# Altium PCB PCB_Power_Distribution.PcbDoc (part 1 of 3)
Units mm, origin at the board's own origin, x right, y up, seen from the top; angles counter-clockwise.
Board outline 80 x 80 mm, 4 copper layers (Top Layer, GND, POWER, Bottom Layer), stack 1.527 mm thick; 206 components, 111 nets, 596 pads, 345 vias.
Unrouted connection lines stored in the file: 3.
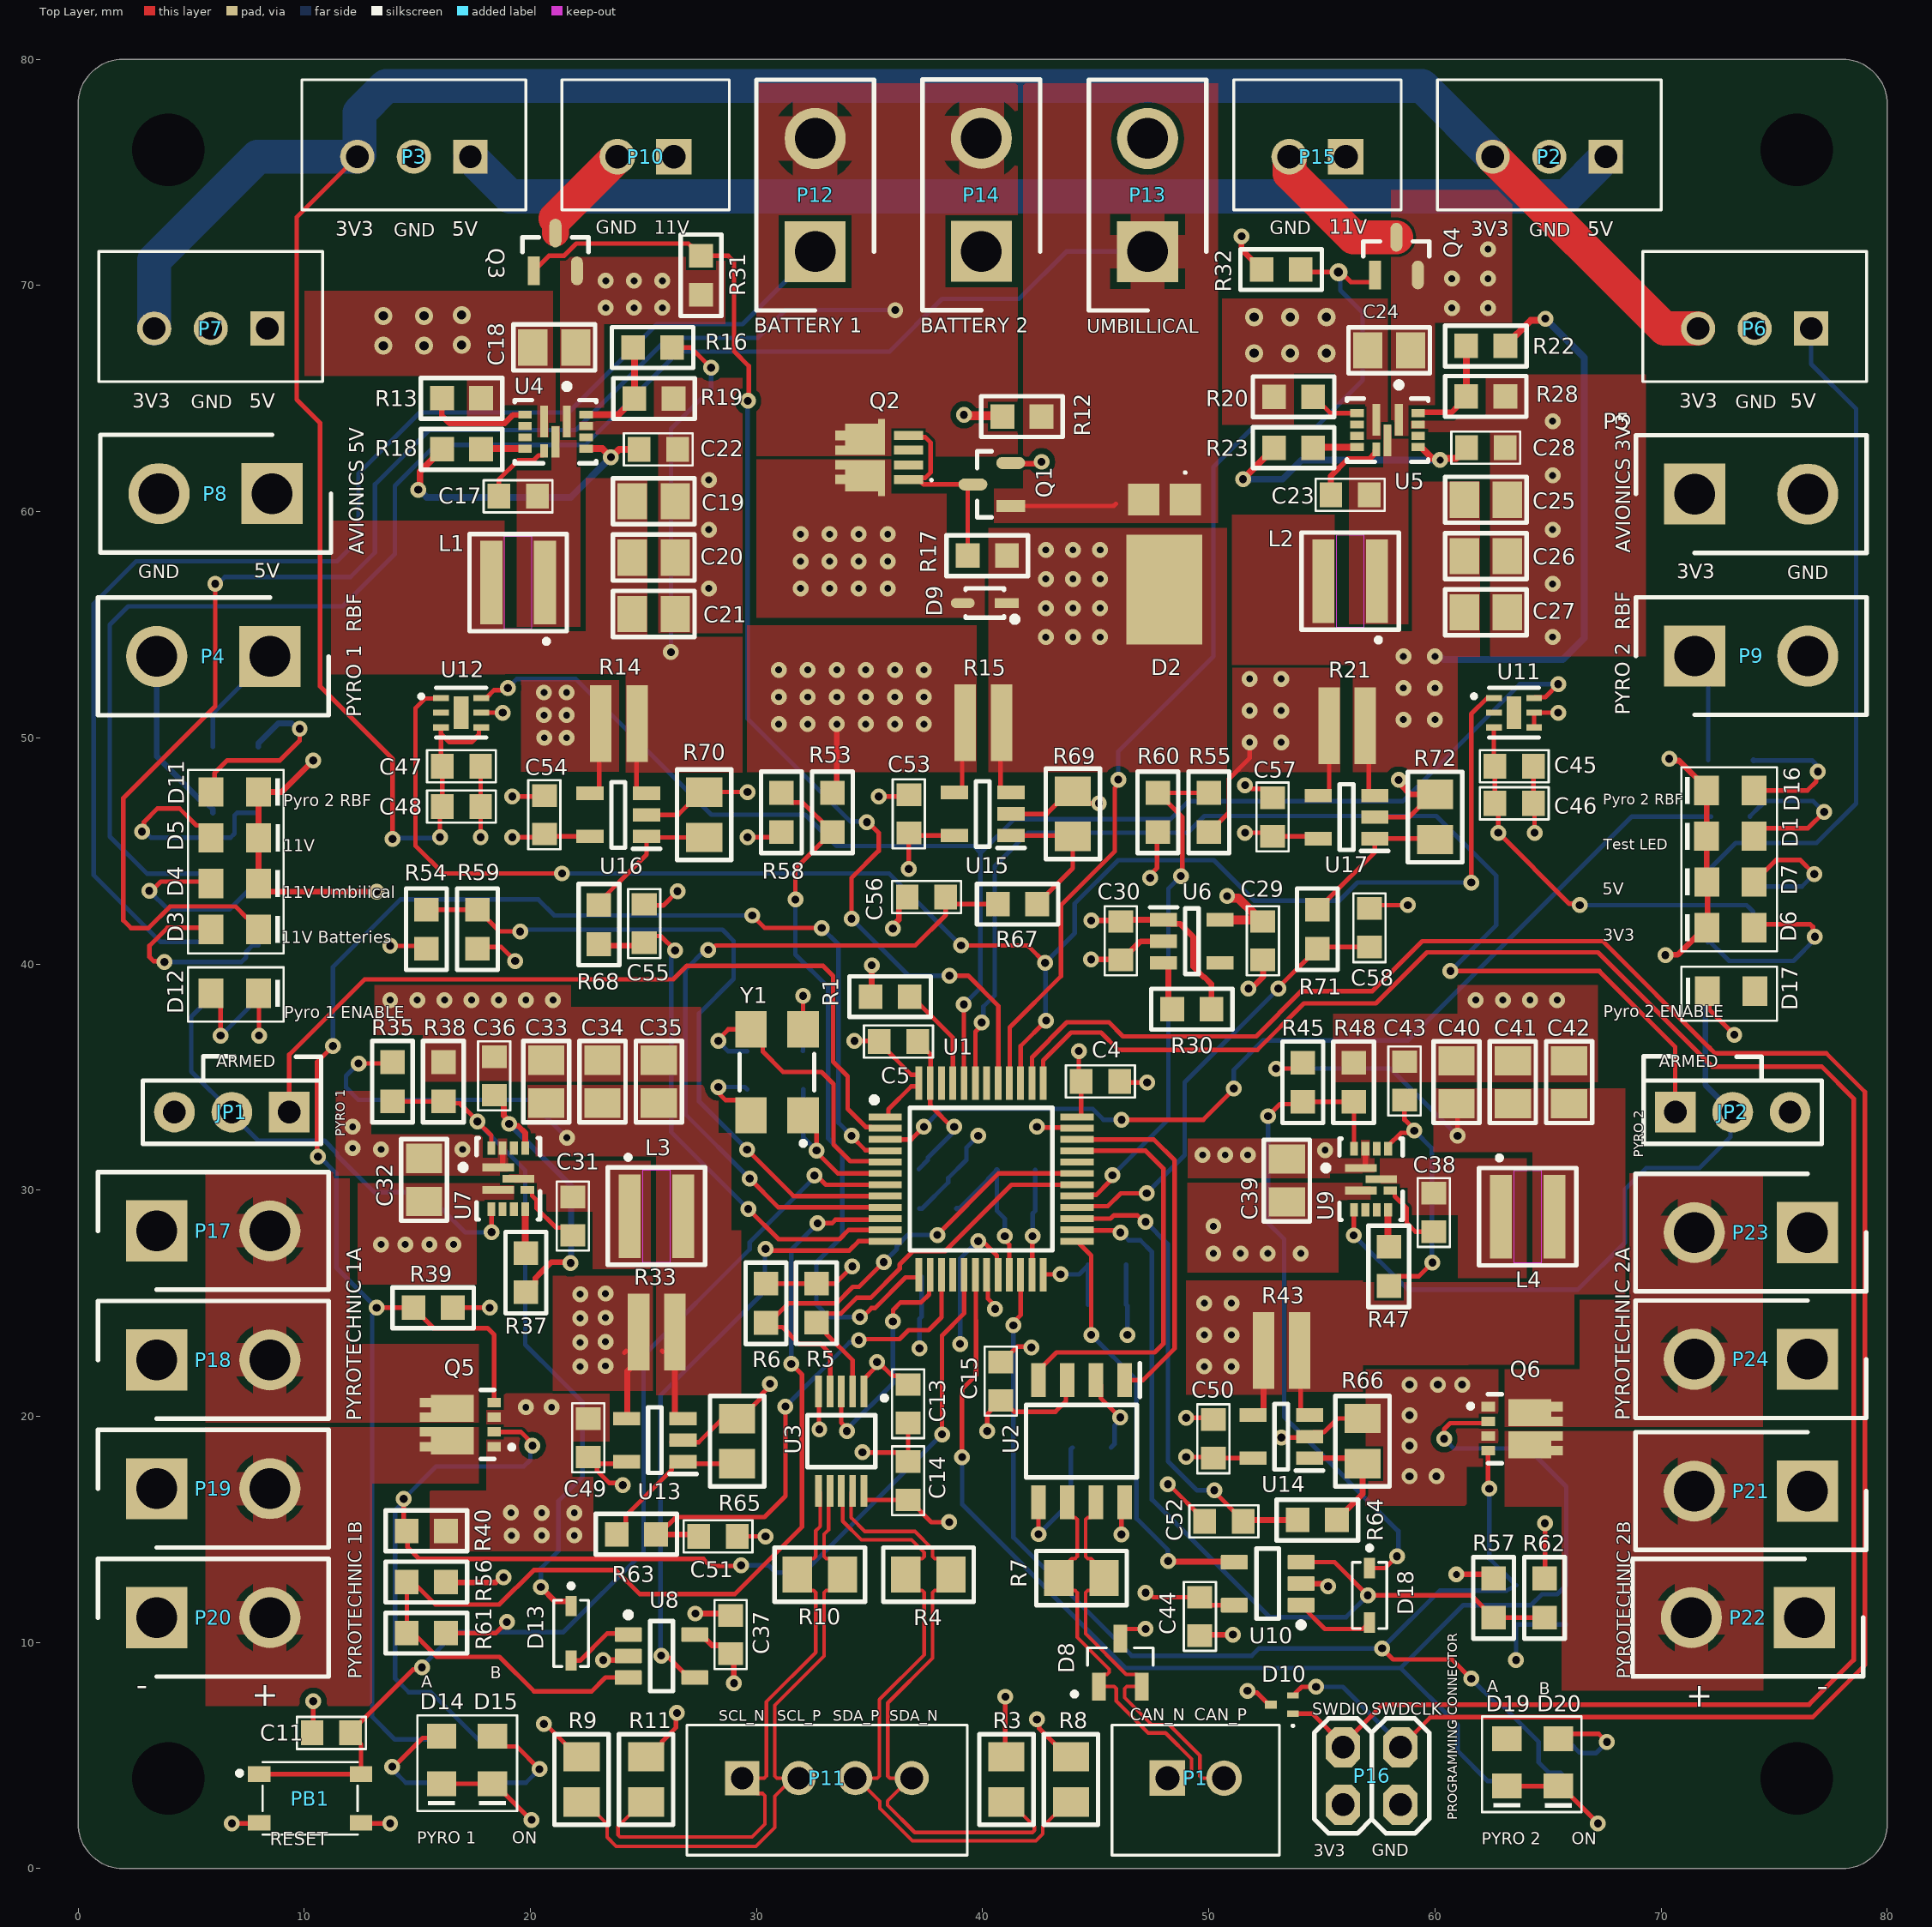
[diagram p0: Top Layer view]
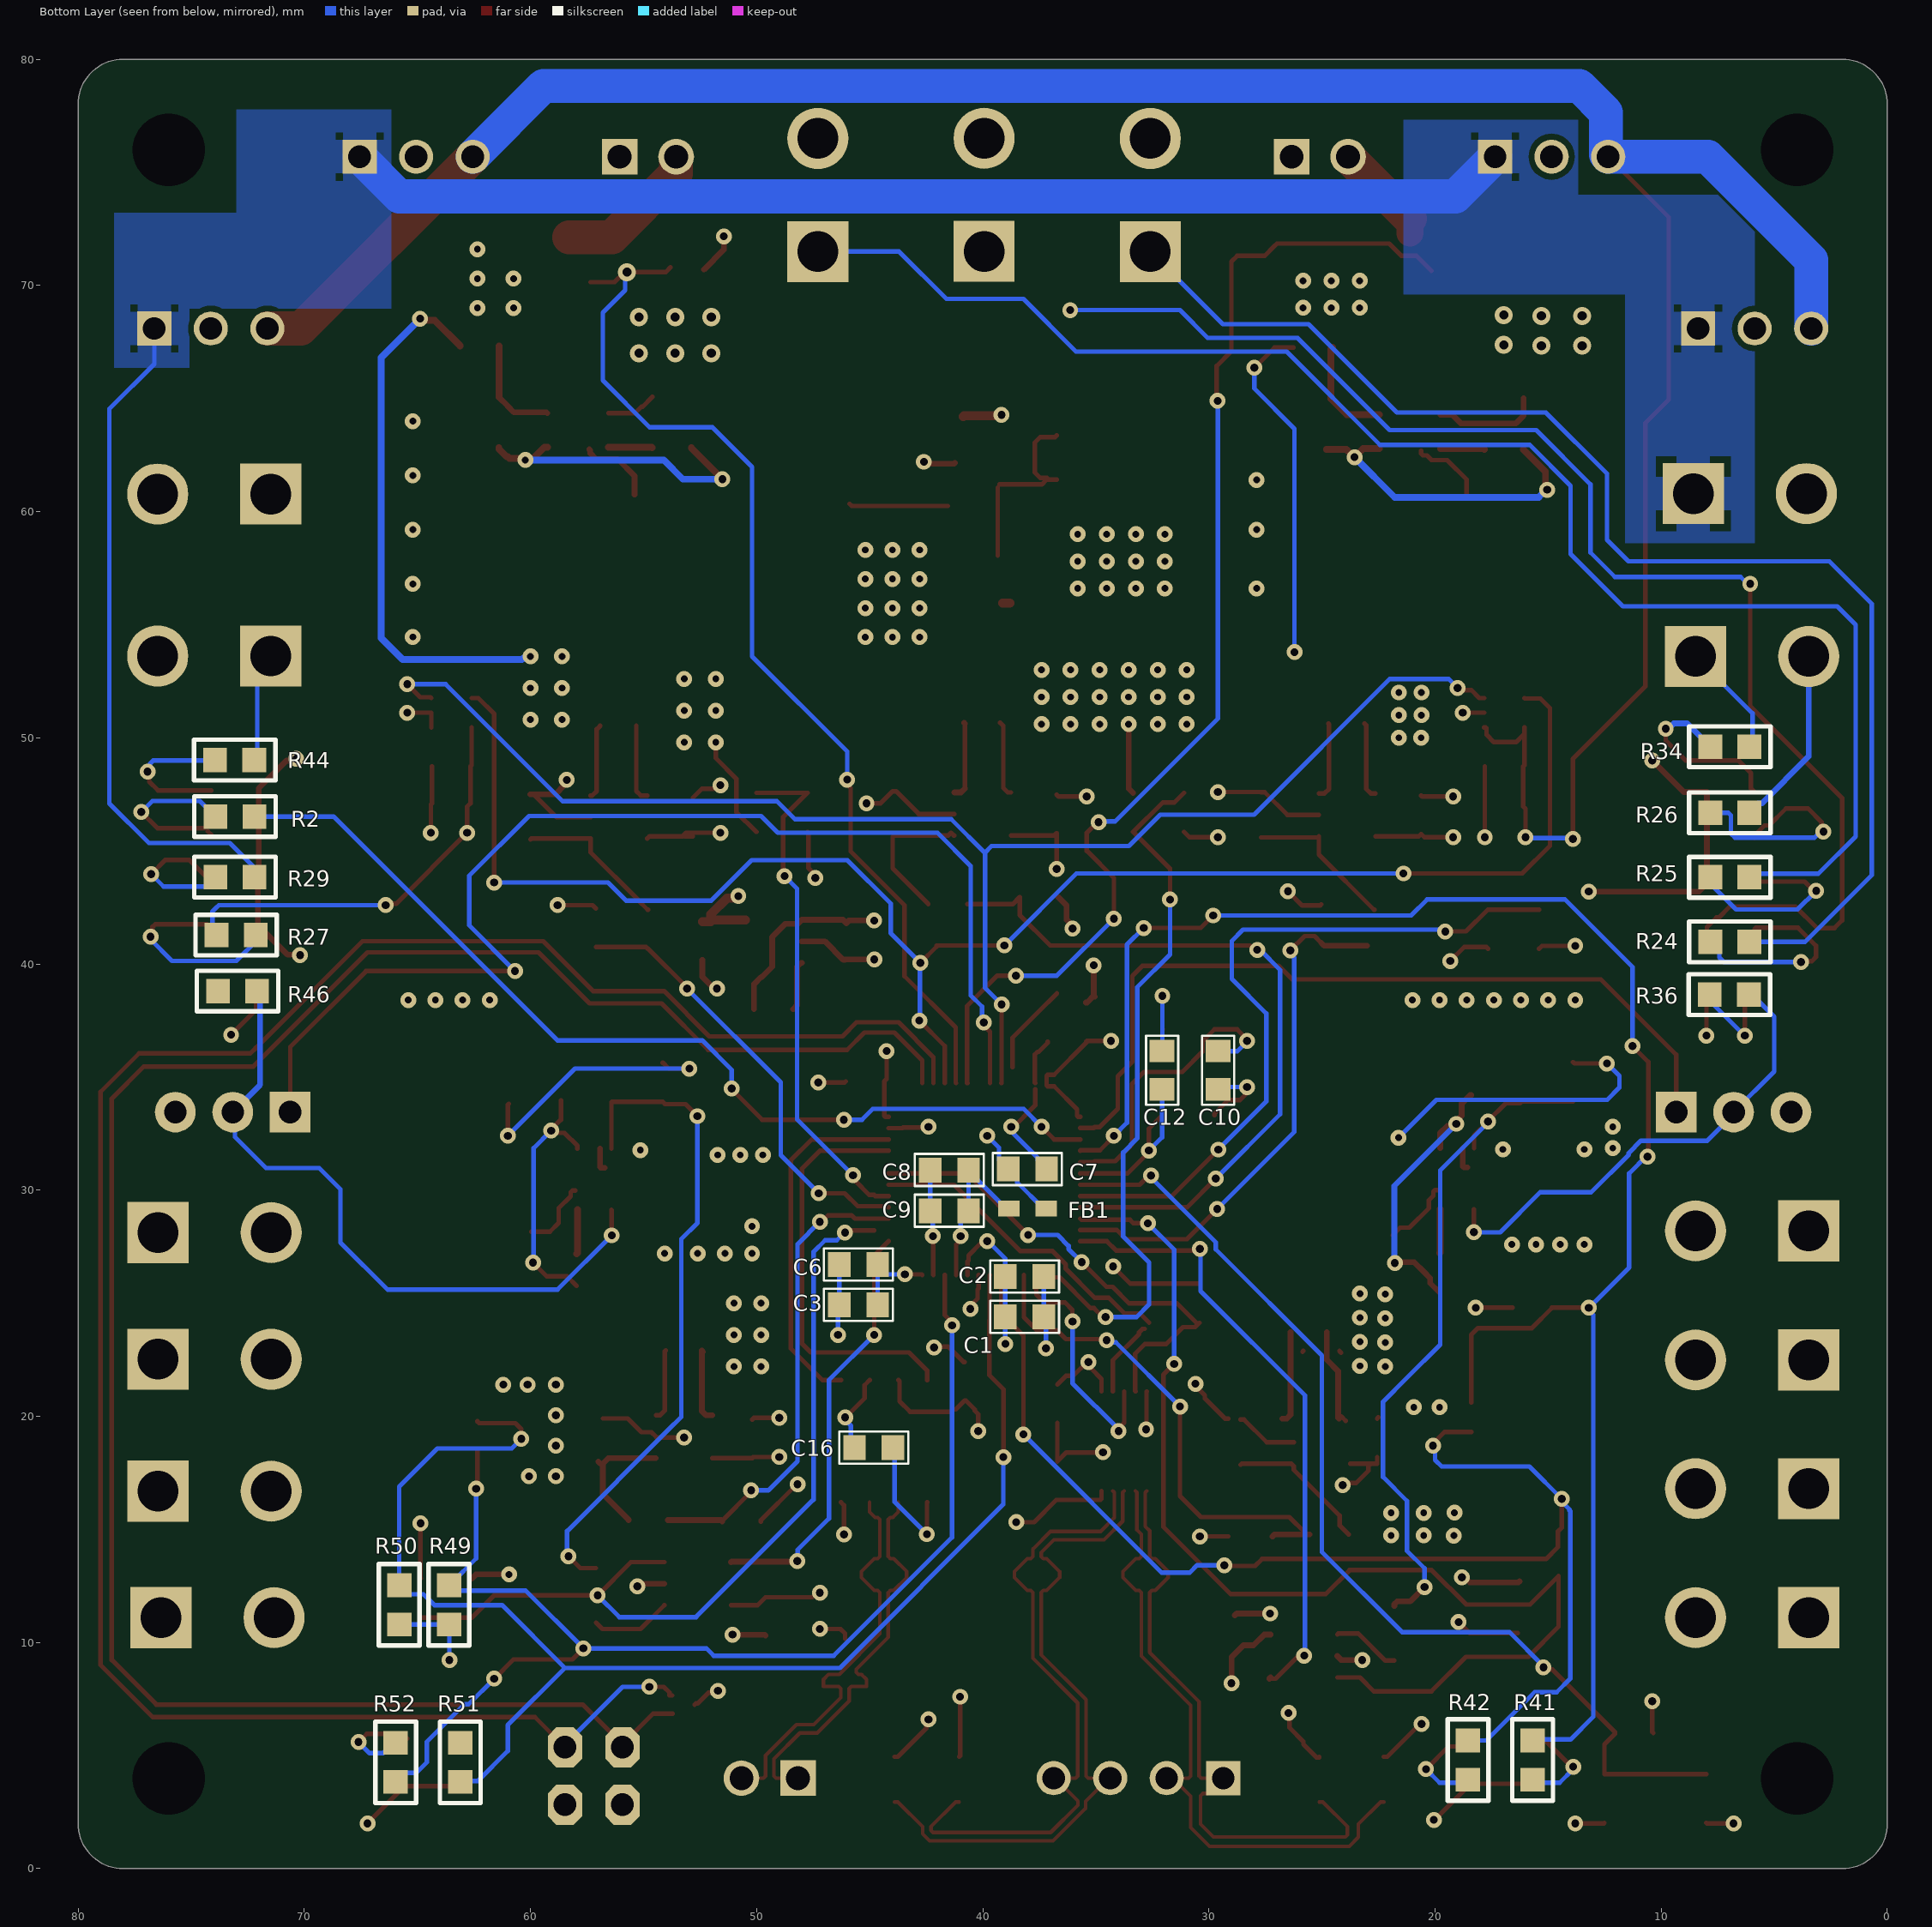
[diagram p1: Bottom Layer view, seen from below]
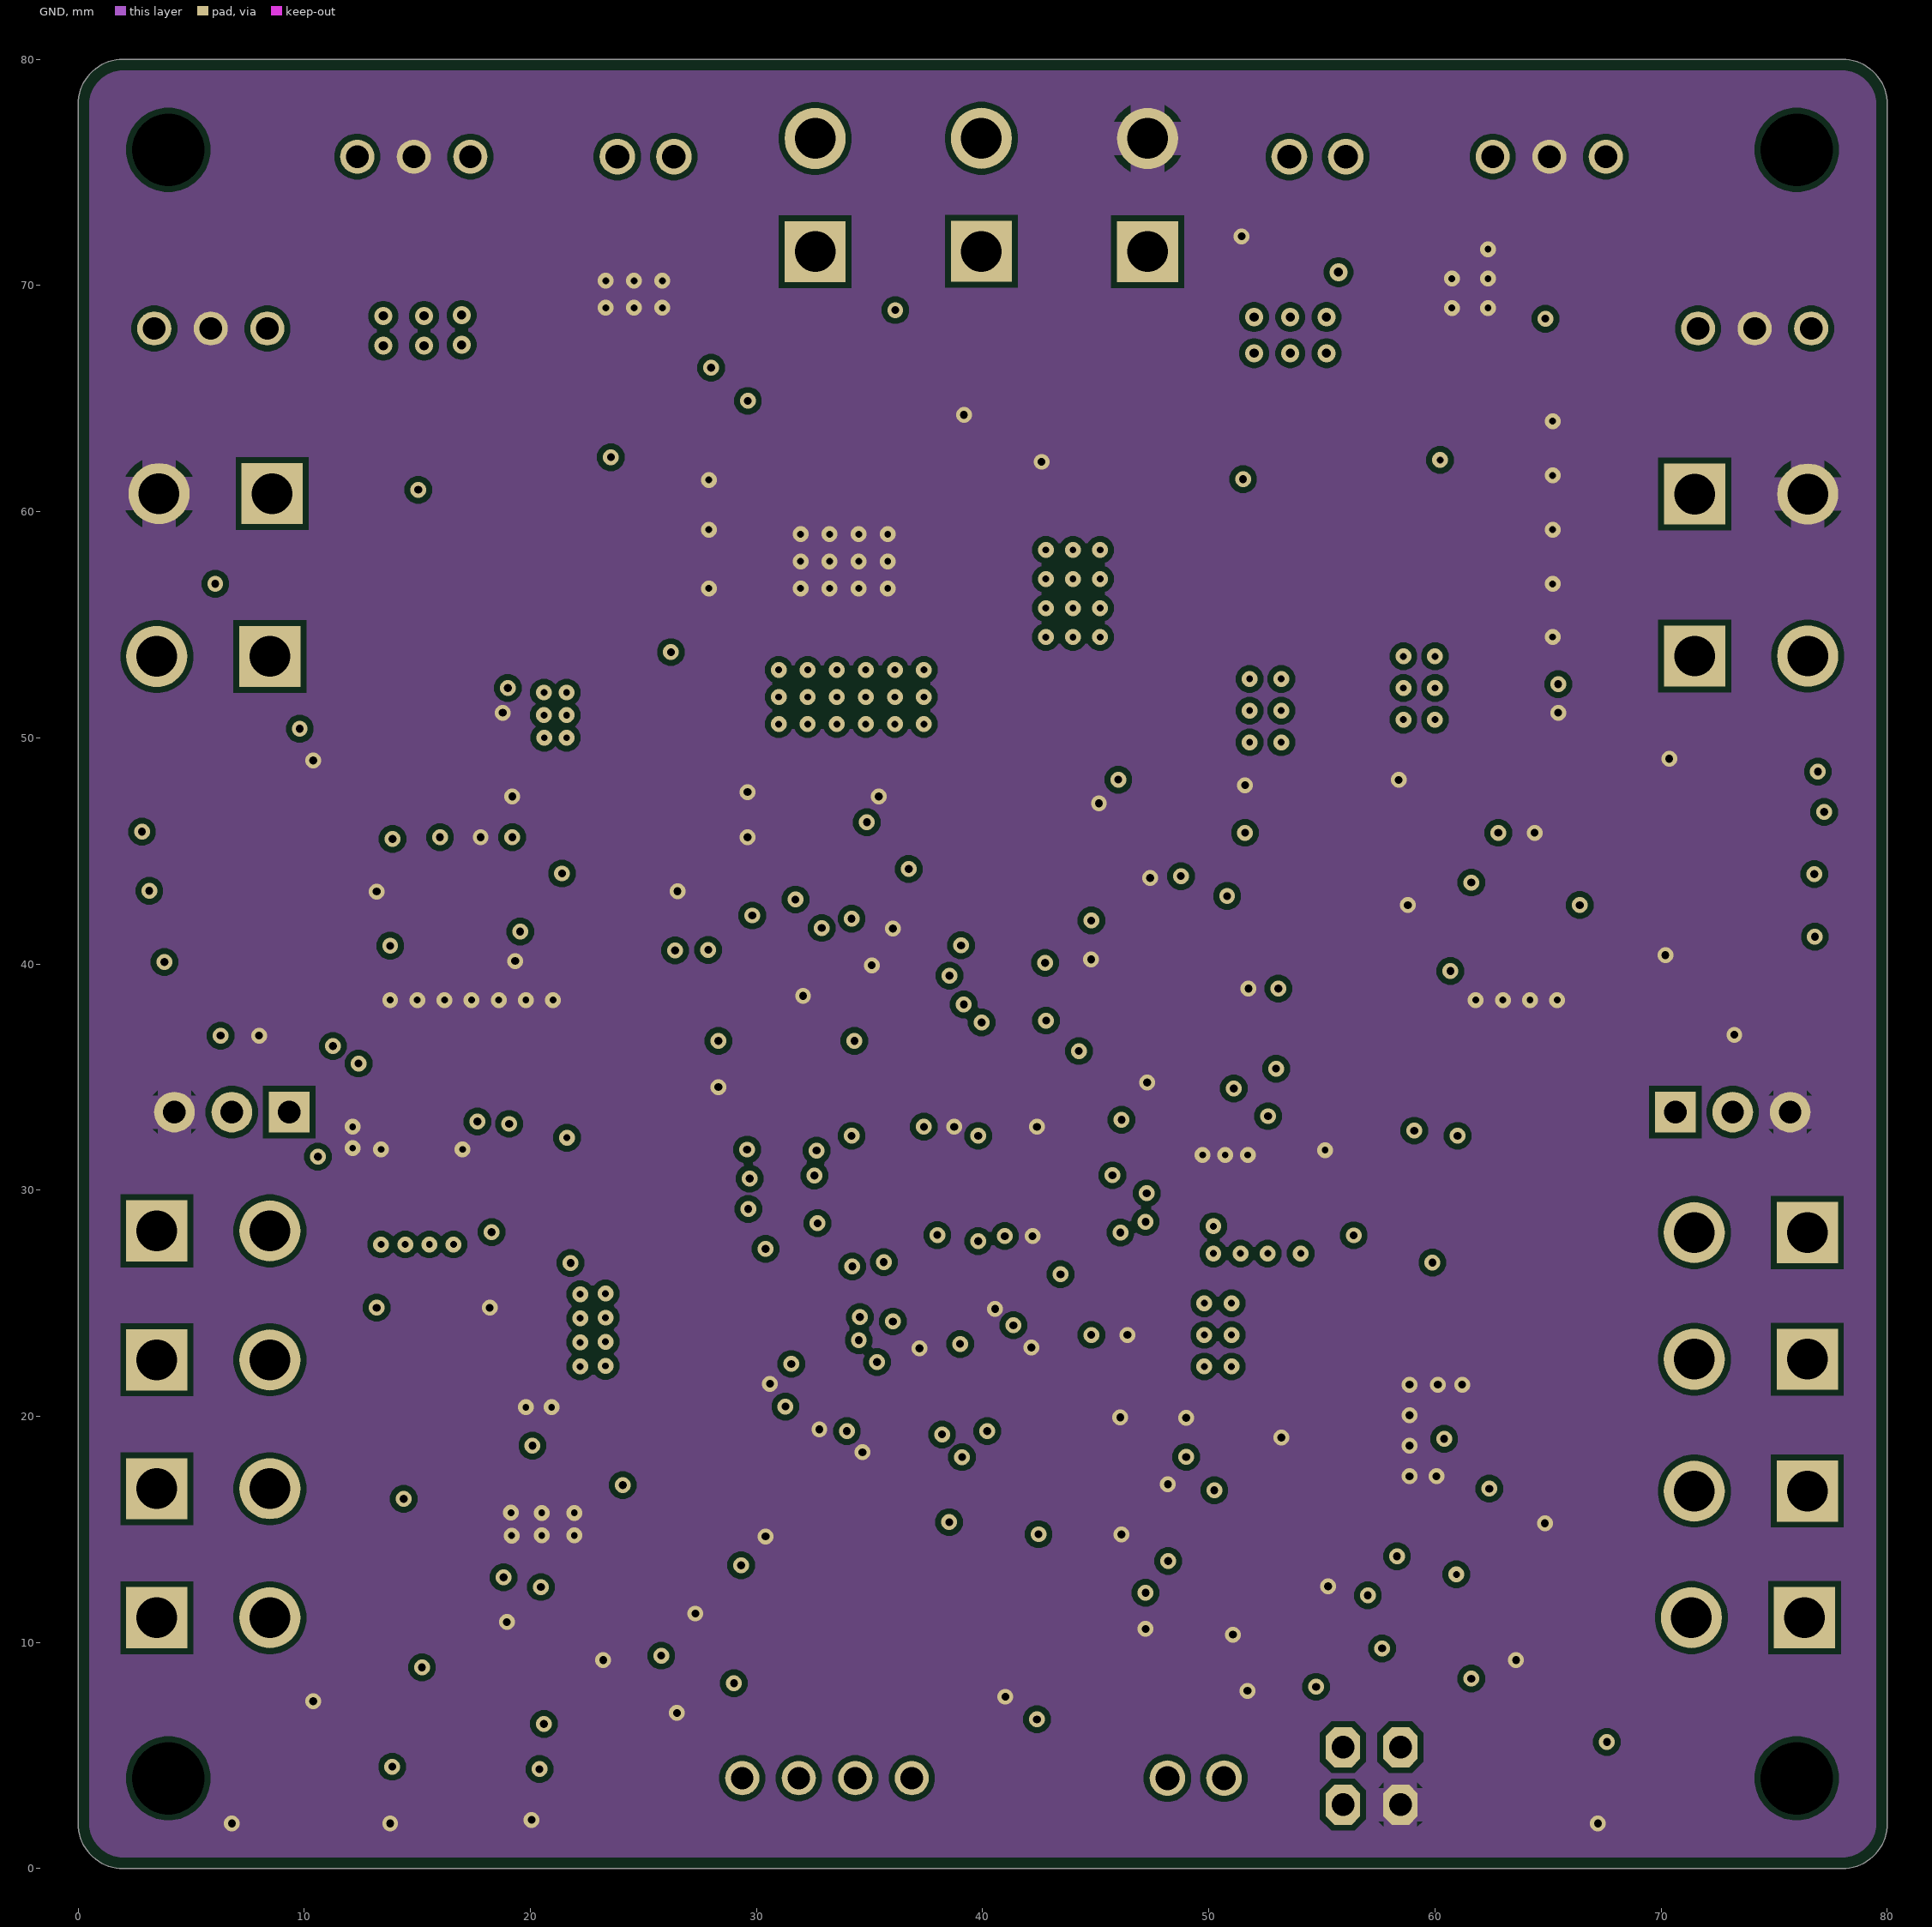
[diagram p2: GND]
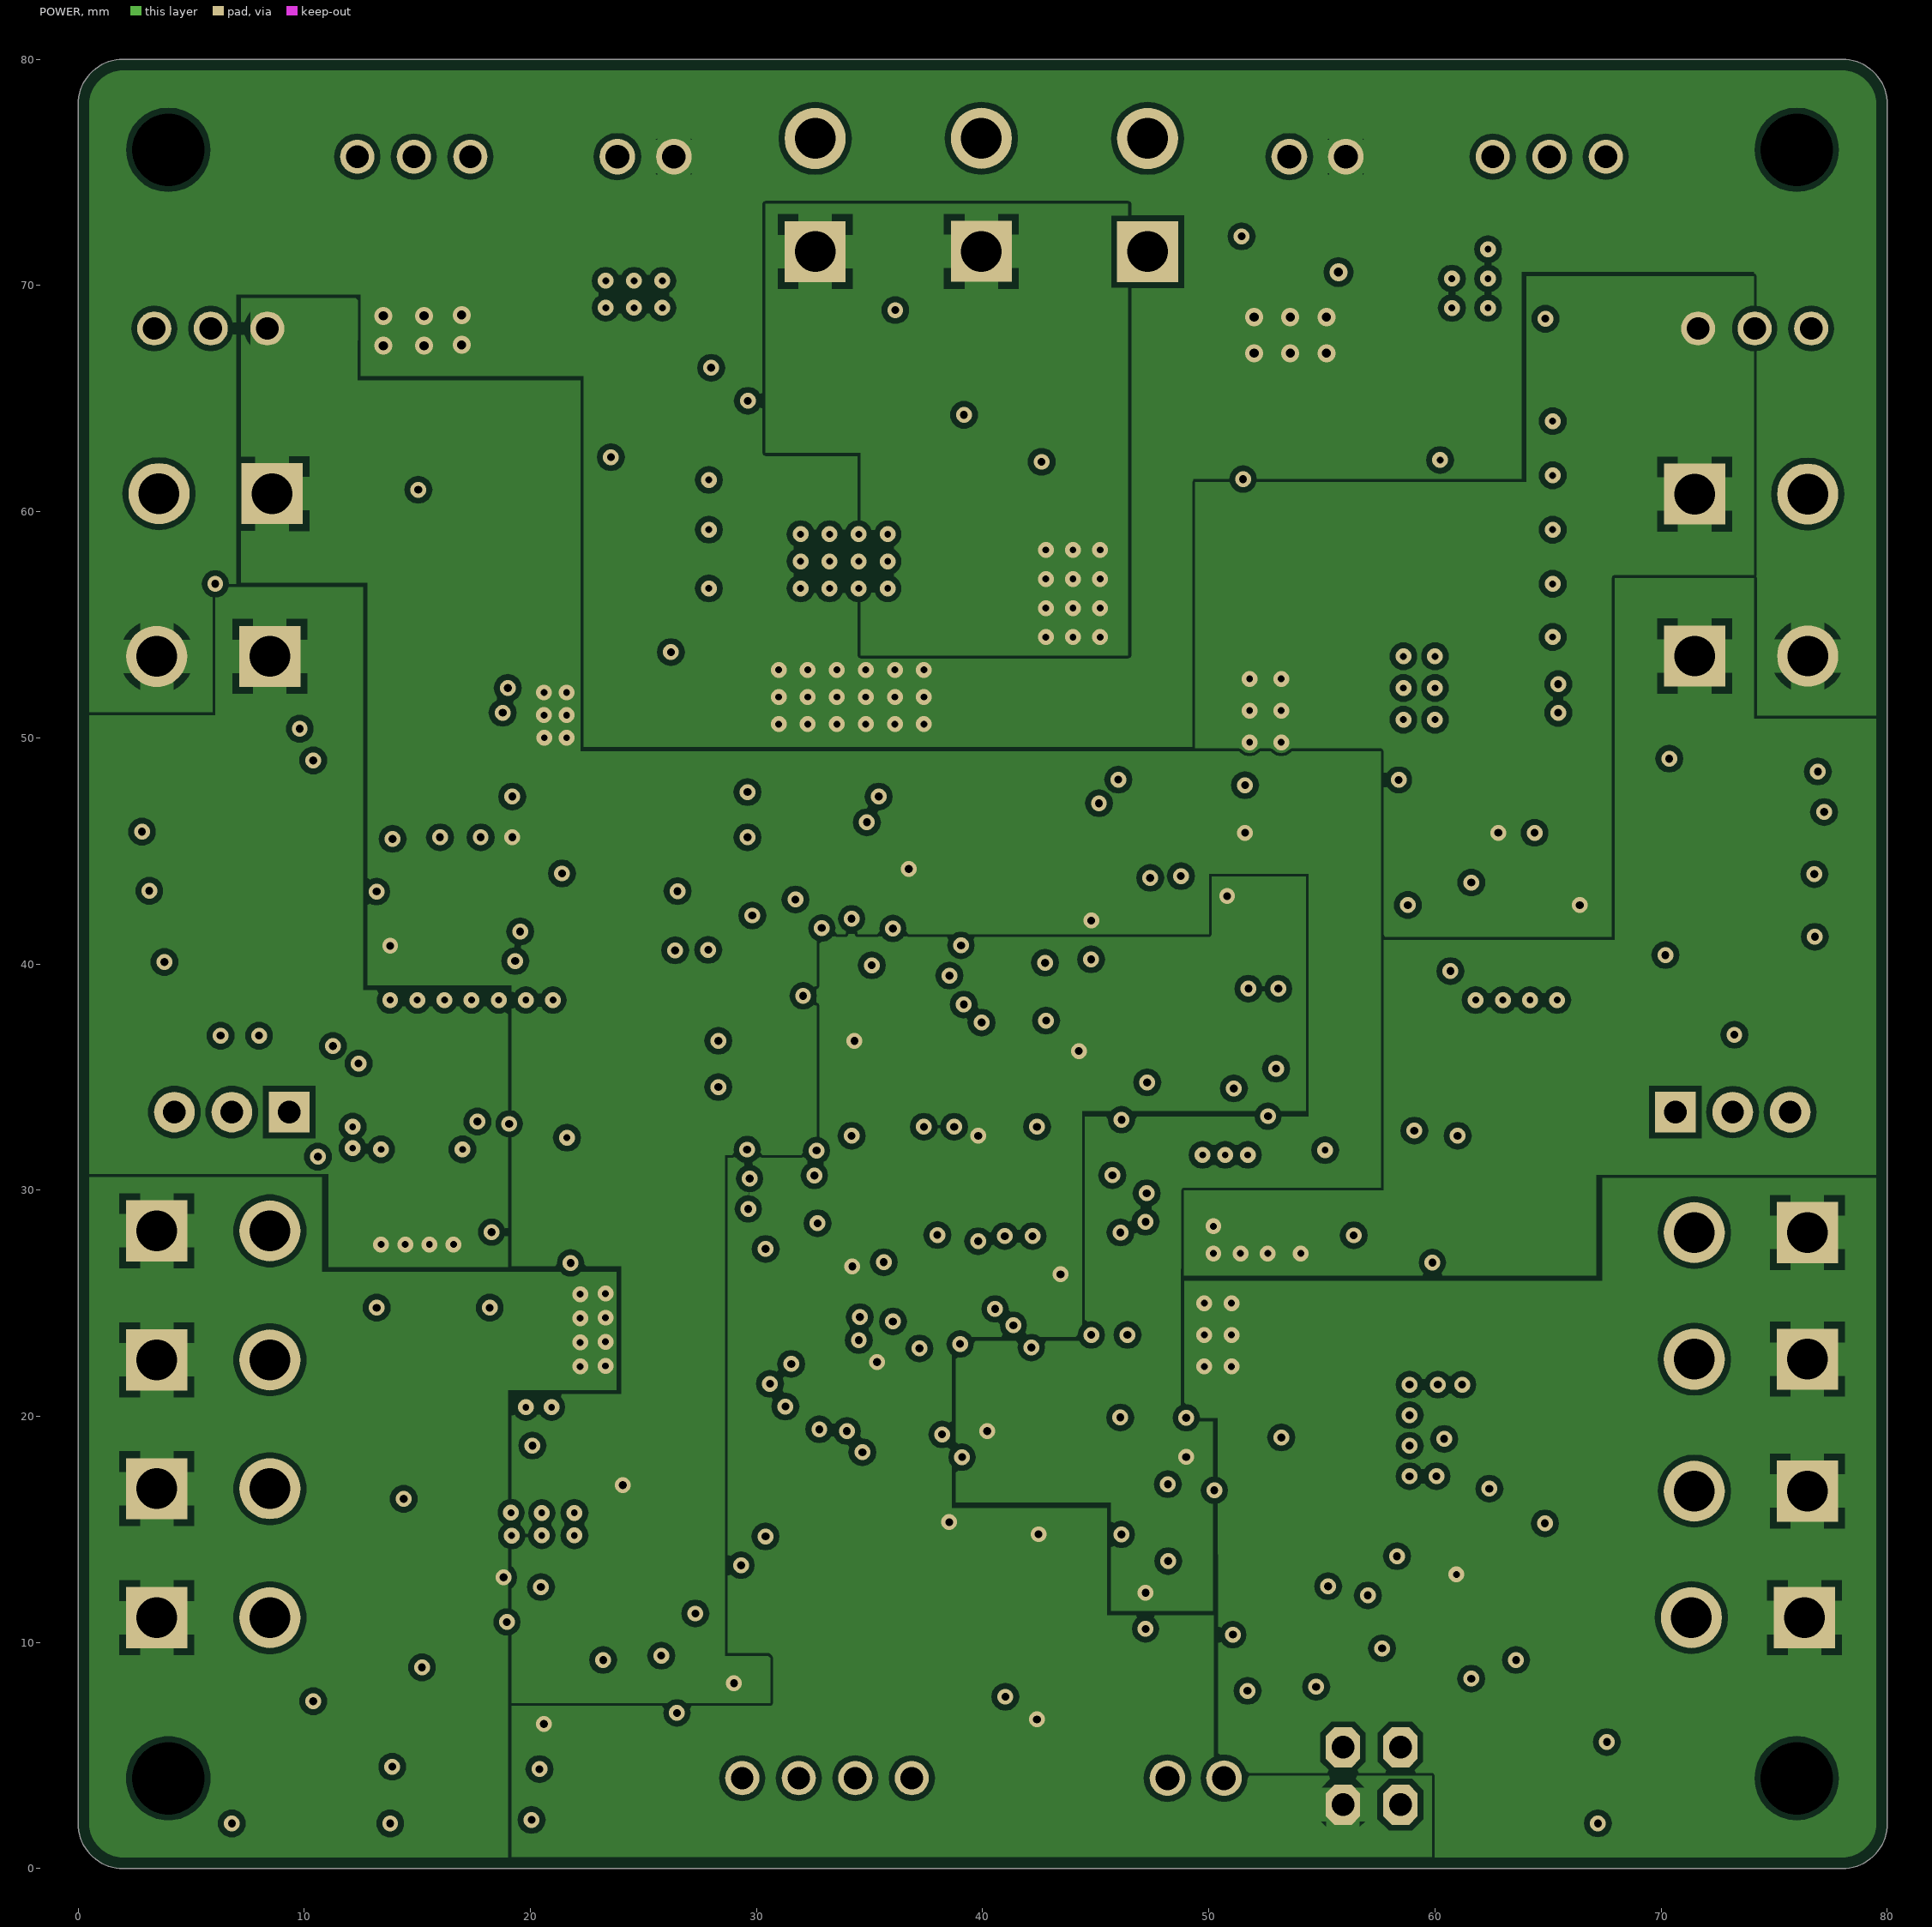
[diagram p3: POWER]
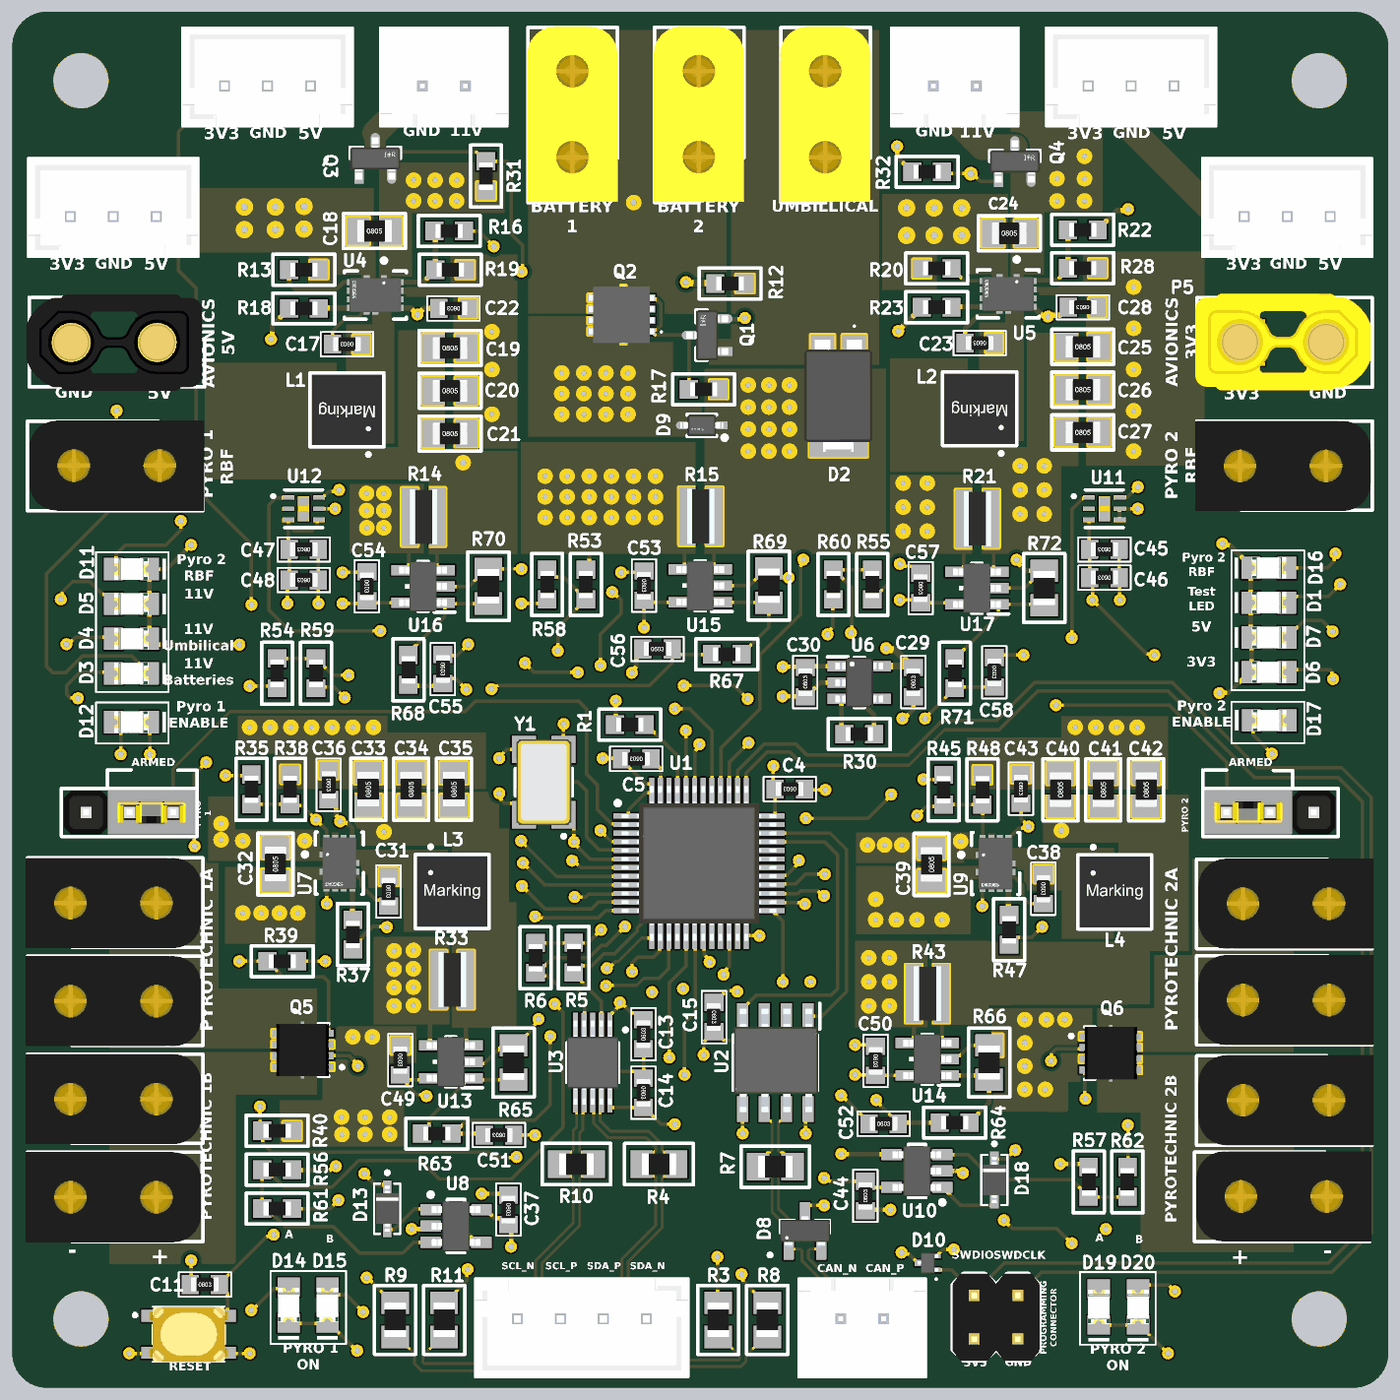
[diagram p6: 3D render of the assembled board from above, using the file's embedded part models]